# KiCad board SimulTypeUltra.kicad_pcb (continued)
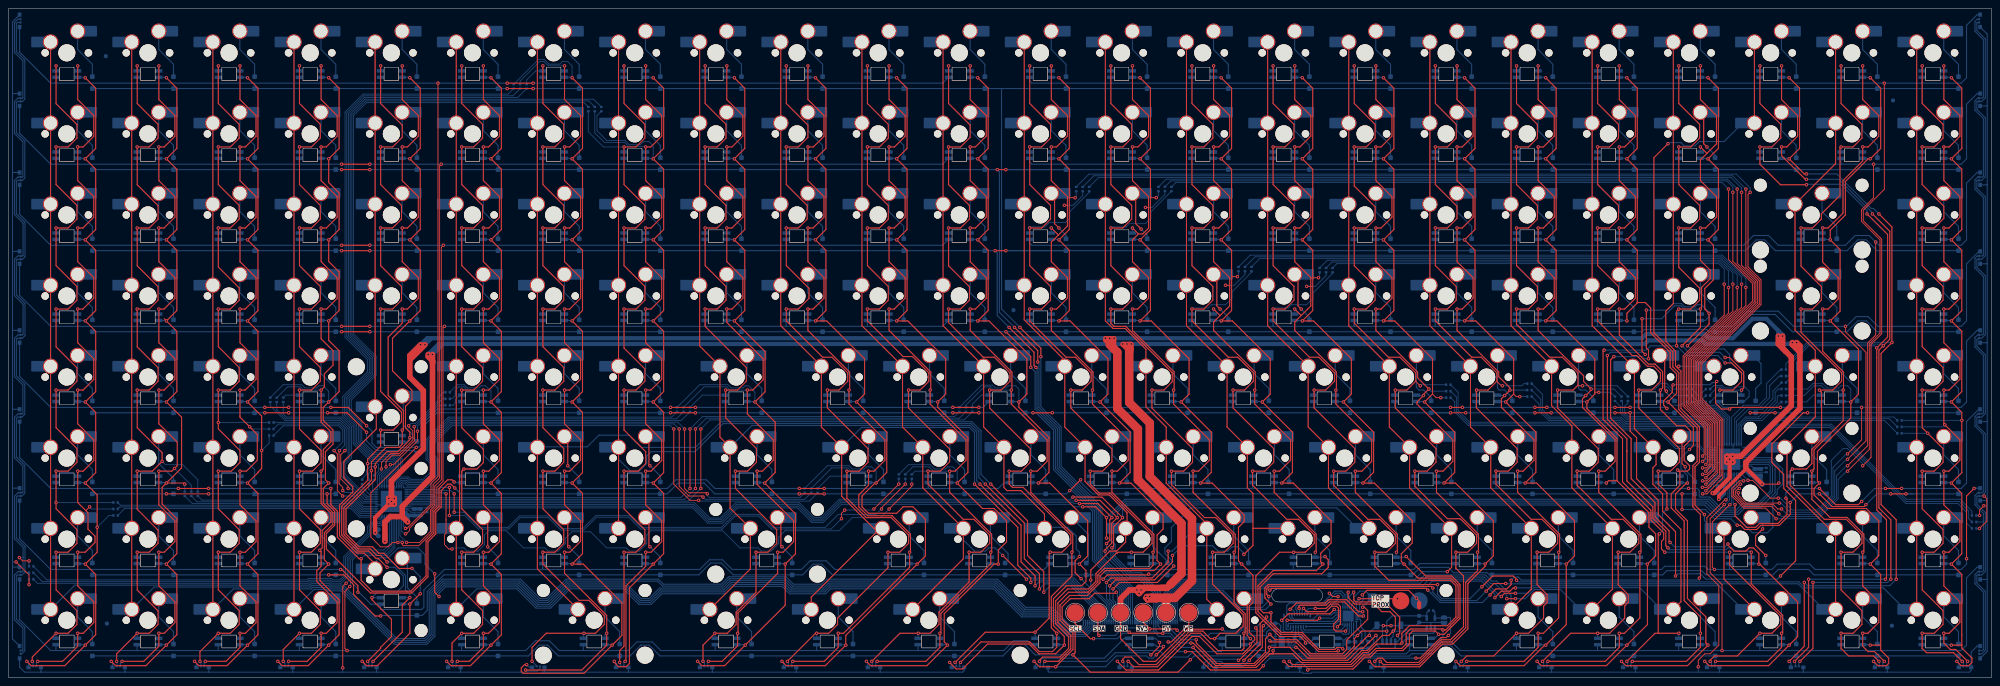
[diagram p0: board, top side]
## Routing (per net, layer and track width the routed paths; a pad name or vN(x,y) marks a point on that pad's centre or on a via; arc(x,y) is an arc through that point) (continued)
/B26c: length 176.1
  Top w0.2: v1(463.86,42.65) 464.49,42.02 464.49,36.75 v1(462.78,35.03)
  Bottom w0.2: R78.1 v1(462.78,35.03) ; 463.55,42.9 463.61,42.9 v1(463.86,42.65)
  Bottom w0.25: LED222.3 462.23,153.94 462.15,153.87 462.15,152.05 464.13,150.07 464.13,136.23 463.3,135.39 LED221.3 462.23,135.39 462.15,135.32 462.15,133.5 464.13,131.52 464.13,117.68 463.3,116.84 LED220.3 462.23,116.84 462.15,116.77 462.15,114.95 464.13,112.97 464.13,99.13 463.3,98.29 LED219.3 462.23,98.29 462.15,98.22 462.15,96.4 464.13,94.42 464.13,80.58 463.3,79.74 LED218.3 462.53,79.74 462.15,79.37 462.15,77.85 464.13,75.87 464.13,62.03 463.3,61.2 LED217.3 462.23,61.2 462.15,61.12 462.15,59.28 464.13,57.3 464.13,43.48 463.3,42.65 LED216.3 462.23,42.65 462.15,42.57 462.15,40.76 464.13,38.78 464.13,24.93 463.3,24.1 LED215.3 462.23,24.1 462.15,24.02 462.15,22.21 464.13,20.23 464.13,6.38 463.3,5.55 LED214.3
/G1c: length 168
  Bottom w0.2: 3.86,24.82 4.07,24.62 R27.1
  Bottom w0.25: LED189.2 3.08,5.55 3.82,6.29 3.82,11.77 1.84,13.75 1.84,23.86 2.08,24.1 LED188.2 3.15,24.1 3.86,24.82 3.86,30.77 1.84,32.8 1.84,42.41 2.08,42.65 LED187.2 3.15,42.65 3.82,43.32 3.82,49.87 1.84,51.85 1.84,60.96 2.08,61.2 LED186.2 3.15,61.2 3.82,61.87 3.82,68.92 1.84,70.9 1.84,79.51 2.08,79.75 LED185.2 3.29,79.75 3.86,80.32 3.86,87.92 1.84,89.95 1.84,98.1 2.04,98.3 LED184.2 3.29,98.3 3.86,98.87 3.86,106.97 1.84,109 1.84,116.6 2.08,116.84 LED183.2 3.29,116.84 3.82,117.37 3.82,126.07 1.84,128.05 1.84,135.15 2.08,135.39 LED182.2 3.29,135.39 3.82,135.92 3.82,145.12 1.83,147.1 1.83,153.7 2.07,153.94 LED181.2
/G2c: length 192.8
  Top w0.2: 18.28,39.1 18.28,39.35 v1(19.04,40.11)
  Top w0.25: v1(6.85,3.79) 12.69,3.79 16.24,7.35 v1(16.24,10.39) 17.51,10.39 20.01,12.9 20.01,17.76 16.24,21.53 v1(16.24,29.44) 18.02,29.44 20.31,31.73 20.31,33.22 18.66,34.87 18.66,38.72 16.24,41.13 v1(16.24,48.49) 17.51,48.49 20.01,51 20.01,55.86 16.24,59.63 v1(16.24,67.54) 17.51,67.54 20.01,70.05 20.01,74.91 16.24,78.68 v1(16.24,86.59) 17.47,86.59 20.01,89.14 20.01,93.96 16.24,97.73 v1(16.24,105.64) 17.47,105.64 20.01,108.19 20.01,113.01 16.24,116.78 v1(16.24,124.69) 17.51,124.69 20.01,127.2 20.01,132.06 16.24,135.83 v1(16.24,143.75)
  Bottom w0.2: v1(19.04,40.11) 19.55,39.6 R28.1
  Bottom w0.25: LED190.2 6.55,3.49 v1(6.85,3.79) ; 16.23,47.31 16.23,48.49 v1(16.24,48.49) ; 16.23,104.46 16.23,105.64 v1(16.24,105.64) ; v1(16.24,10.39) 16.23,10.39 16.23,9.21 ; 16.23,28.26 16.23,29.44 v1(16.24,29.44) ; v1(16.24,124.69) 16.23,124.69 16.23,123.51 ; 16.23,142.56 16.23,143.74 v1(16.24,143.75) ; 16.23,66.36 16.23,67.54 v1(16.24,67.54) ; 16.23,85.41 16.23,86.59 v1(16.24,86.59)
/G3c: length 192.9
  Top w0.25: v1(35.29,143.75) 35.29,135.83 39.06,132.06 39.06,127.2 36.56,124.69 v1(35.29,124.69) 35.29,116.78 39.06,113.01 39.06,108.19 36.52,105.64 v1(35.29,105.64) 35.29,97.73 39.06,93.96 39.06,89.14 36.52,86.59 v1(35.29,86.59) 35.29,78.68 39.06,74.91 39.06,70.09 36.52,67.54 v1(35.29,67.54) 35.29,59.63 39.61,55.31 39.61,49.76 v1(38.98,49.13) 38.34,48.49 v1(35.29,48.49) 35.29,40.58 39.06,36.81 39.06,31.95 36.56,29.44 v1(35.29,29.44) 35.29,21.53 39.06,17.76 39.06,12.9 36.56,10.39 v1(35.29,10.39) 35.29,7.35 31.74,3.79 v1(26.66,3.79)
  Bottom w0.2: v1(38.98,49.13) 42.91,45.19 R29.1
  Bottom w0.25: LED119.2 35.28,48.49 v1(35.29,48.49) ; LED162.2 35.28,10.39 v1(35.29,10.39) ; LED73.2 35.28,86.59 v1(35.29,86.59) ; LED26.2 35.28,124.69 v1(35.29,124.69) ; v1(35.29,143.75) 35.28,143.74 LED2.2 ; v1(35.29,67.54) 35.28,67.54 LED96.2 ; v1(26.66,3.79) 26.25,3.39 LED191.2 ; LED140.2 35.28,29.44 v1(35.29,29.44) ; LED50.2 35.28,105.64 v1(35.29,105.64)
/G4c: length 189.1
  Top w0.25: v1(46.22,3.79) 51.04,3.79 54.34,7.09 v1(54.34,10.39) 55.61,10.39 58.11,12.9 58.11,17.76 54.34,21.53 v1(54.34,29.44) 55.61,29.44 58.11,31.95 58.11,36.81 54.34,40.58 v1(54.34,48.49) 55.87,48.49 58.41,51.03 58.41,57.13 v1(56.63,58.91) 54.34,61.19 v1(54.34,67.54) 55.57,67.54 58.11,70.09 58.11,74.91 54.34,78.68 v1(54.34,86.59) 55.57,86.59 58.11,89.14 58.11,93.96 54.34,97.73 v1(54.34,105.64) 55.61,105.64 58.11,108.15 58.11,113.01 54.34,116.78 v1(54.34,124.69) 55.61,124.69 58.11,127.2 58.11,132.06 54.34,135.83 v1(54.34,143.75)
  Bottom w0.2: v1(56.63,58.91) 57.14,58.4 R30.1
  Bottom w0.25: v1(54.34,86.59) 54.33,86.59 LED74.2 ; v1(54.34,48.49) 54.33,48.49 LED120.2 ; LED51.2 54.33,105.64 v1(54.34,105.64) ; v1(54.34,143.75) 54.33,143.74 LED3.2 ; LED141.2 54.33,29.44 v1(54.34,29.44) ; v1(46.22,3.79) 45.96,3.53 LED192.2 ; v1(54.34,67.54) 54.33,67.54 LED97.2 ; v1(54.34,124.69) 54.33,124.69 LED27.2 ; v1(54.34,10.39) 54.33,10.39 LED163.2
/G5c: length 191.3
  Top w0.25: v1(65.77,3.79) 70.09,3.79 73.39,7.09 v1(73.39,10.39) 74.62,10.39 77.16,12.94 77.16,17.76 72.38,22.54 72.38,25.13 73.39,26.14 73.39,29.57 v1(73.07,29.9) 73.66,30.49 73.66,34.54 75.68,36.56 75.68,38.59 73.39,40.88 v1(73.39,48.49) 73.9,49 73.9,53.57 75.68,55.35 75.68,57.74 73.39,60.03 v1(73.39,67.54) 74.16,68.31 74.16,71.35 76.19,73.39 76.19,76.79 73.39,79.59 v1(73.39,86.59) 74.66,86.59 77.16,89.1 77.16,93.96 73.39,97.73 v1(73.39,105.64) 74.62,105.64 77.16,108.19 77.16,113.01 73.39,116.78 v1(73.39,124.69) 74.62,124.69 77.16,127.24 77.16,132.06 73.39,135.83 v1(73.39,143.75)
  Bottom w0.2: v1(73.39,67.54) 69.33,67.54 68.57,68.31 65.52,68.31 R31.1
  Bottom w0.25: LED4.2 73.38,143.74 v1(73.39,143.75) ; v1(73.39,86.59) 73.38,86.59 LED75.2 ; v1(73.39,48.49) 73.38,48.49 LED121.2 ; v1(73.39,105.64) 73.38,105.64 LED52.2 ; LED193.2 65.66,3.68 v1(65.77,3.79) ; v1(73.39,124.69) 73.38,124.69 LED28.2 ; v1(73.39,67.54) 73.38,67.54 LED98.2 ; v1(73.39,10.39) 73.38,10.39 LED164.2 ; v1(73.07,29.9) 73.38,29.58 LED142.2
/G6c: length 186.3
  Top w0.25: v1(88.89,27.16) 87.36,28.68 86.47,28.68 84.95,30.21 82.15,30.21 78.73,33.63 78.73,39.86 85.2,46.34 v1(85.2,48.62) 85.2,50.65 88.63,54.08 91.68,54.08 92.44,54.84 v1(92.44,58.15) 92.71,58.41 92.71,62.73 89.14,66.3 89.14,79.99 92.44,83.29 v1(92.44,86.59) 93.67,86.59 96.21,89.14 96.21,93.96 92.44,97.73 v1(92.44,105.64) 93.67,105.64 96.21,108.19 96.21,113.01 92.44,116.78 v1(92.44,124.69) 93.67,124.69 96.21,127.24 96.21,132.06 92.44,135.83 v1(92.44,143.75) ; v1(85.59,3.79) 92.44,10.65 92.44,17 v1(94.22,18.78)
  Bottom w0.2: v1(85.2,48.62) 84.57,47.99 R32.1
  Bottom w0.25: v1(92.44,105.64) 92.43,105.64 92.43,104.46 ; 92.43,123.51 92.43,124.69 v1(92.44,124.69) ; v1(92.44,58.15) 92.43,58.14 92.43,56.84 ; 92.43,142.56 92.43,143.74 v1(92.44,143.75) ; v1(92.44,86.59) 92.43,86.59 92.43,85.41 ; 92.43,18.74 92.47,18.78 v1(94.22,18.78) 94.22,19.54 93.21,20.55 93.21,23.99 90.03,27.16 v1(88.89,27.16) ; LED194.2 85.37,3.57 v1(85.59,3.79)
/G7c: length 192
  Top w0.25: v1(105.4,3.79) 108.19,3.79 111.49,7.09 v1(111.49,10.39) 112.72,10.39 115.26,12.94 115.26,17.76 111.49,21.53 v1(111.49,29.44) 112.76,29.44 115.26,31.95 115.26,36.81 111.49,40.58 v1(111.49,48.49) 112.76,48.49 115.26,51 115.26,55.86 111.49,59.63 v1(111.49,67.54) 112.76,67.54 115.26,70.05 115.26,74.91 111.49,78.68 v1(111.49,86.59) 112.76,86.59 115.26,89.1 115.26,93.96 111.49,97.73 v1(111.49,105.64) 112.76,105.64 115.26,108.15 115.26,113.01 111.49,116.78 v1(111.49,124.69) 112.72,124.69 115.26,127.24 115.26,132.06 111.49,135.83 v1(111.49,143.75)
  Bottom w0.2: R33.1 104.13,65.51 104.89,66.27 104.89,67.54 105.65,68.31 106.92,68.31 107.68,67.54 v1(111.49,67.54)
  Bottom w0.25: 111.48,85.41 111.48,86.59 v1(111.49,86.59) ; 111.48,9.21 111.48,10.39 v1(111.49,10.39) ; 111.48,28.26 111.48,29.44 v1(111.49,29.44) ; LED195.2 105.07,3.46 v1(105.4,3.79) ; v1(111.49,67.54) 111.48,67.54 111.48,66.36 ; v1(111.49,48.49) 111.48,48.49 111.48,47.31 ; v1(111.49,124.69) 111.48,124.69 111.48,123.51 ; v1(111.49,143.75) 111.48,143.74 111.48,142.56 ; v1(111.49,105.64) 111.48,105.64 111.48,104.46
/G8c: length 212.1
  Top w0.25: v1(121.4,1.76) 134.61,1.76 140.45,7.6 v1(140.45,10.39) 140.45,14.59 130.54,24.49 v1(130.54,29.44) 131.77,29.44 134.31,31.99 134.31,36.81 130.54,40.58 v1(130.54,48.49) 131.77,48.49 134.31,51.04 134.31,55.86 130.54,59.63 v1(130.54,67.54) 131.77,67.54 134.31,70.09 134.31,74.91 130.54,78.68 v1(130.54,86.59) 131.77,86.59 134.31,89.14 134.31,93.96 130.54,97.73 v1(130.54,105.64) 131.77,105.64 134.31,108.19 134.31,113.01 130.54,116.78 v1(130.54,124.69) 131.77,124.69 134.31,127.24 134.31,132.06 130.54,135.83 v1(130.54,143.75)
  Bottom w0.2: v1(130.54,143.75) 126.73,143.75 125.72,144.76 124.7,144.76 120.13,140.19 R34.1
  Bottom w0.25: v1(121.4,1.76) 121.65,1.5 124.19,1.5 124.77,2.09 LED196.2 ; LED101.2 130.53,67.54 v1(130.54,67.54) ; v1(130.54,29.44) 130.53,29.44 LED145.2 ; LED31.2 130.53,124.69 v1(130.54,124.69) ; LED78.2 130.53,86.59 v1(130.54,86.59) ; v1(130.54,143.75) 130.53,143.74 LED7.2 ; v1(130.54,105.64) 130.53,105.64 LED55.2 ; v1(130.54,48.49) 130.53,48.49 LED123.2 ; LED166.2 140.06,10 v1(140.45,10.39)
/G9c: length 193.1
  Top w0.25: v1(144.77,3.79) 144.96,3.99 144.96,21.51 149.59,26.14 v1(149.59,29.44) 150.86,29.44 153.36,31.95 153.36,36.81 149.59,40.58 v1(149.59,48.49) 150.86,48.49 153.36,51 153.36,55.86 149.59,59.63 v1(149.59,67.54) 150.82,67.54 153.36,70.09 153.36,74.91 149.59,78.68 v1(149.59,86.59) 150.86,86.59 153.36,89.1 153.36,93.96 149.59,97.73 v1(149.59,105.64) 150.82,105.64 153.36,108.19 153.36,113.01 149.59,116.78 v1(149.59,124.69) 150.82,124.69 153.36,127.24 153.36,132.06 149.59,135.83 v1(149.59,143.75)
  Bottom w0.2: v1(149.59,124.69) 149.49,124.8 145.62,124.8 144.71,125.71 139.94,125.71 137.66,128 R35.1
  Bottom w0.25: v1(149.59,67.54) 149.58,67.54 LED102.2 ; v1(149.59,48.49) 149.58,48.49 LED124.2 ; LED146.2 149.58,29.44 v1(149.59,29.44) ; v1(144.77,3.79) 144.48,3.5 LED197.2 ; v1(149.59,124.69) 149.58,124.69 LED32.2 ; LED79.2 149.58,86.59 v1(149.59,86.59) ; v1(149.59,143.75) 149.58,143.74 LED8.2 ; LED56.2 149.58,105.64 v1(149.59,105.64)
/G10c: length 204.7
  Top w0.25: v1(168.64,143.75) 168.64,135.83 172.41,132.06 172.41,127.24 169.87,124.69 v1(168.64,124.69) 168.64,116.78 172.41,113.01 172.41,108.19 169.87,105.64 v1(168.64,105.64) 168.64,97.73 172.41,93.96 172.41,89.14 169.87,86.59 v1(168.64,86.59) 168.64,83.44 177.18,74.91 177.18,69.98 174.74,67.54 v1(173.47,67.54) 173.47,61.95 179.56,55.86 179.56,51.04 177.01,48.49 v1(175.76,48.49) 175.76,45.37 184.32,36.81 184.32,31.91 181.85,29.44 v1(180.58,29.44) 180.58,24.48 171.29,15.19 171.29,10.5 v1(171.18,10.39) 171.18,7.45 167.53,3.79 v1(164.33,3.79)
  Bottom w0.2: R36.1 163.31,68.31 168.64,68.31 169.41,67.54 v1(173.47,67.54)
  Bottom w0.25: LED125.2 175.78,48.47 v1(175.76,48.49) ; v1(173.47,67.54) 173.4,67.47 LED103.2 ; v1(168.64,105.64) 168.63,105.64 LED57.2 ; v1(164.33,3.79) 164.18,3.65 LED198.2 ; LED147.2 180.54,29.4 v1(180.58,29.44) ; v1(168.64,143.75) 168.63,143.74 LED9.2 ; LED167.2 171.02,10.23 v1(171.18,10.39) ; LED33.2 168.63,124.69 v1(168.64,124.69) ; v1(168.64,86.59) 168.63,86.59 LED80.2
/G11c: length 213.9
  Top w0.25: v1(187.69,143.75) 187.69,135.83 191.46,132.06 191.46,127.2 188.96,124.69 v1(187.69,124.69) 187.69,116.78 191.46,113.01 191.46,108.19 188.92,105.64 v1(187.69,105.64) 187.69,97.73 191.46,93.96 191.46,89.14 188.92,86.59 v1(187.69,86.59) 187.69,81.57 197.48,71.78 197.48,67.68 v1(197.35,67.54) 197.35,64.26 205.75,55.86 205.75,51.04 203.2,48.49 v1(201.92,48.49) 201.92,45.19 199.63,42.91 199.63,40.11 201.72,38.02 207.43,38.02 211.77,33.68 211.77,29.65 v1(211.57,29.44) 211.57,25.91 196.06,10.39 v1(194.81,10.39) 194.81,7.09 191.5,3.79 v1(184.14,3.79)
  Bottom w0.2: R37.1 193.28,49.26 197.09,49.26 197.85,48.49 v1(201.92,48.49)
  Bottom w0.25: v1(187.69,124.69) 187.68,124.69 LED34.2 ; LED199.2 183.89,3.54 v1(184.14,3.79) ; LED104.2 197.21,67.41 v1(197.35,67.54) ; v1(201.92,48.49) 201.97,48.44 LED126.2 ; v1(211.57,29.44) 211.5,29.37 LED148.2 ; v1(187.69,105.64) 187.68,105.64 LED58.2 ; LED10.2 187.68,143.74 v1(187.69,143.75) ; LED168.2 194.83,10.37 v1(194.81,10.39) ; LED81.2 187.68,86.59 v1(187.69,86.59)
/G12c: length 205.9
  Top w0.25: v1(206.74,143.75) 206.74,135.83 210.51,132.06 210.51,127.2 208.01,124.69 v1(206.74,124.69) 206.74,116.78 210.51,113.01 210.51,108.19 207.97,105.64 v1(206.74,105.64) 206.74,97.73 210.51,93.96 210.51,89.14 207.97,86.59 v1(206.74,86.59) 206.74,81.57 216.53,71.78 216.53,67.68 v1(216.4,67.54) 216.4,64.26 224.8,55.86 224.8,51.04 222.25,48.49 v1(220.97,48.49) 220.97,43.54 230.82,33.68 230.82,29.65 v1(230.62,29.44) 230.62,26.76 218.92,15.05 218.92,10.63 v1(218.68,10.39) 218.68,7.09 215.38,3.79 v1(203.95,3.79)
  Bottom w0.2: v1(220.97,48.49) 217.16,48.49 216.14,49.51 212.33,49.51 R38.1
  Bottom w0.25: v1(203.95,3.79) 203.59,3.43 LED200.2 ; v1(206.74,143.75) 206.73,143.74 LED11.2 ; v1(220.97,48.49) 221.02,48.44 LED127.2 ; v1(206.74,105.64) 206.73,105.64 LED59.2 ; LED169.2 218.64,10.35 v1(218.68,10.39) ; v1(206.74,124.69) 206.73,124.69 LED35.2 ; LED149.2 230.55,29.37 v1(230.62,29.44) ; LED105.2 216.26,67.41 v1(216.4,67.54) ; v1(206.74,86.59) 206.73,86.59 LED82.2
/G13c: length 214.8
  Top w0.25: v1(223.51,3.54) 228.33,8.36 239.76,8.36 242.05,6.08 245.1,6.08 246.11,7.09 v1(246.11,10.39) 244.84,11.66 244.84,19.03 249.67,23.86 v1(249.67,29.44) 249.87,29.65 249.87,33.68 240.02,43.54 v1(240.02,48.49) 241.54,48.49 243.85,50.81 243.85,55.86 235.45,64.26 v1(235.45,67.54) 235.58,67.68 235.58,71.78 225.79,81.57 v1(225.79,86.59) 227.02,86.59 229.56,89.14 229.56,93.96 225.79,97.73 v1(225.79,105.64) 227.02,105.64 229.56,108.19 229.56,113.05 225.79,116.82 v1(225.79,124.69) 227.02,124.69 229.56,127.24 229.56,132.06 225.79,135.83 v1(225.79,143.75)
  Bottom w0.2: R39.1 224.78,63.99 229.1,68.31 230.62,68.31 231.38,67.54 v1(235.45,67.54)
  Bottom w0.25: v1(225.79,124.69) 225.78,124.69 LED36.2 ; LED83.2 225.78,86.59 v1(225.79,86.59) ; v1(240.02,48.49) 240.07,48.44 LED128.2 ; v1(225.79,105.64) 225.78,105.64 LED60.2 ; LED106.2 235.31,67.41 v1(235.45,67.54) ; LED12.2 225.78,143.74 v1(225.79,143.75) ; LED201.2 223.3,3.33 v1(223.51,3.54) ; LED177.2 246.11,9.25 v1(246.11,10.39) ; v1(249.67,29.44) 249.6,29.37 LED150.2
/G14c: length 240
  Top w0.2: v1(247.89,110.98) 248.61,110.98
  Top w0.25: v1(244.84,105.64) 246.49,103.99 ; 246.49,103.99 248.61,106.11 248.61,113.01 244.84,116.78 v1(244.84,124.69) 246.07,124.69 248.61,127.24 248.61,132.06 244.84,135.83 v1(244.84,143.75) ; 246.49,103.99 244.84,102.34 244.84,97.73 248.61,93.96 248.61,89.14 246.07,86.59 v1(244.84,86.59) 244.84,81.57 254.63,71.78 254.63,67.68 v1(254.5,67.54) 254.5,64.26 262.9,55.86 262.9,51.04 260.35,48.49 v1(259.07,48.49) 259.07,43.54 268.92,33.68 268.92,29.65 v1(268.72,29.44) 268.72,26.4 267.96,25.63 257.29,25.63 255.77,24.11 255.77,22.4 253.41,20.05 248.91,20.05 246.37,17.51 246.37,12.94 249.42,9.89 249.42,6.71 246.5,3.79 v1(243.32,3.79) ; v1(268.21,5.31) 270.25,7.35 v1(270.25,8.23)
  Bottom w0.2: v1(247.89,110.98) 249.92,110.98 252.21,113.26 R40.1
  Bottom w0.25: LED151.2 268.65,29.37 v1(268.72,29.44) ; LED61.2 244.83,105.64 v1(244.84,105.64) ; v1(244.84,143.75) 244.83,143.74 LED13.2 ; LED178.2 269.27,9.21 v1(270.25,8.23) ; v1(244.84,86.59) 244.83,86.59 LED84.2 ; v1(244.84,124.69) 244.83,124.69 LED37.2 ; LED202.2 243,3.47 v1(243.32,3.79) 257.8,3.79 259.83,5.82 267.7,5.82 v1(268.21,5.31) ; LED107.2 254.36,67.41 v1(254.5,67.54) ; v1(259.07,48.49) 259.12,48.44 LED129.2
/G15c: length 216.7
  Top w0.2: v1(266.94,110.47) 267.66,110.47
  Top w0.25: v1(263.89,105.64) 265.29,104.25 ; 265.29,104.25 266.31,104.25 267.66,105.61 267.66,113.01 263.89,116.78 v1(263.89,124.69) 265.16,124.69 267.66,127.2 267.66,132.06 263.89,135.83 v1(263.89,143.75) ; 265.29,104.25 263.89,102.85 263.89,97.73 267.66,93.96 267.66,89.14 265.12,86.59 v1(263.89,86.59) 263.89,81.57 273.68,71.78 273.68,67.68 v1(273.55,67.54) 273.55,64.26 281.95,55.86 281.95,51.04 279.4,48.49 v1(278.12,48.49) 278.12,43.54 288.02,33.63 288.02,29.7 v1(287.77,29.44) 287.77,17.51 290.35,14.92 290.35,10.69 v1(290.06,10.39) 290.06,6.84 289.55,6.33 283.96,6.33 279.9,10.39 277.61,10.39 269.74,2.52 264.15,2.52 v1(262.88,3.79)
  Bottom w0.2: v1(266.94,110.47) 268.47,110.47 271.51,113.52 R41.1
  Bottom w0.25: v1(263.89,86.59) 263.88,86.59 LED85.2 ; v1(290.06,10.39) 290.08,10.37 LED170.2 ; v1(262.88,3.79) 262.7,3.62 LED203.2 ; LED108.2 273.41,67.41 v1(273.55,67.54) ; LED130.2 278.17,48.44 v1(278.12,48.49) ; LED62.2 263.88,105.64 v1(263.89,105.64) ; v1(287.77,29.44) 287.7,29.37 LED152.2 ; LED38.2 263.88,124.69 v1(263.89,124.69) ; LED14.2 263.88,143.74 v1(263.89,143.75)
/G16c: length 237.7
  Top w0.2: v1(285.74,92.18) 286.71,92.18
  Top w0.25: v1(294.63,12.17) 294.37,11.91 294.37,7.09 v1(291.33,4.04) ; 284.47,85.07 282.94,83.55 282.94,81.57 292.73,71.78 292.73,67.68 v1(292.6,67.54) 292.6,64.26 301,55.86 301,51.04 298.45,48.49 v1(297.17,48.49) 297.17,43.54 307.02,33.68 307.02,29.65 v1(306.82,29.44) ; 284.47,85.07 v1(282.94,86.59) ; 284.47,85.07 286.71,87.32 286.71,93.96 282.94,97.73 v1(282.94,105.64) 284.17,105.64 286.71,108.19 286.71,113.01 282.94,116.78 v1(282.94,124.69) 284.17,124.69 286.71,127.24 286.71,132.06 282.94,135.83 v1(282.94,143.75) ; v1(309.11,28.43) 309.87,27.67 309.87,25.89 308.34,24.36 296.91,24.36 293.87,21.32 293.87,15.98 294.63,15.22 v1(296.41,15.22) 296.41,13.06 298.88,10.59 303.7,10.59 307.71,6.58 311.39,6.58 311.83,7.02 312.97,7.02 v1(313.26,6.73)
  Bottom w0.2: v1(285.74,92.18) 287.77,92.18 290.31,94.72 R42.1
  Bottom w0.25: v1(292.6,67.54) 292.46,67.41 LED109.2 ; v1(282.94,143.75) 282.93,143.74 LED15.2 ; v1(282.94,124.69) 282.93,124.69 LED39.2 ; LED204.2 282.41,3.07 282.62,3.28 284.21,3.28 284.98,2.52 289.8,2.52 v1(291.33,4.04) ; LED179.2 312.93,9.21 313.34,8.8 313.34,6.8 v1(313.26,6.73) ; v1(282.94,86.59) 282.93,86.59 LED86.2 ; v1(294.63,12.17) 296.41,13.94 v1(296.41,15.22) ; v1(297.17,48.49) 297.22,48.44 LED131.2 ; LED63.2 282.93,105.64 v1(282.94,105.64) ; v1(306.82,29.44) 306.75,29.37 LED153.2 308.94,28.26 v1(309.11,28.43)
/G17c: length 232.4
  Top w0.2: v1(304.79,91.93) 305.76,91.93
  Top w0.25: v1(301.99,143.75) 301.99,135.83 305.76,132.06 305.76,127.24 303.22,124.69 v1(301.99,124.69) 301.99,116.78 305.76,113.01 305.76,108.19 303.22,105.64 v1(301.99,105.64) 301.99,97.73 305.76,93.96 305.76,87.32 303.52,85.07 ; v1(305.04,1.76) 305.3,2.01 315.71,2.01 318.5,4.81 319.77,4.81 321.3,6.33 327.39,6.33 328.92,7.85 328.92,10.14 329.68,10.9 335.01,10.9 v1(335.78,10.14) 337.05,10.14 340.8,13.89 340.8,21.88 338.82,23.86 332.73,23.86 v1(328.16,28.43) ; 303.52,85.07 301.99,83.55 301.99,81.57 311.78,71.78 311.78,67.68 v1(311.65,67.54) 311.65,64.26 320.05,55.86 320.05,50.81 317.74,48.49 v1(316.22,48.49) 316.22,43.54 326.07,33.68 326.07,29.65 v1(325.87,29.44) ; 303.52,85.07 v1(301.99,86.59)
  Bottom w0.2: R43.1 309.36,94.47 306.82,91.93 v1(304.79,91.93)
  Bottom w0.25: v1(335.78,10.14) 334.85,9.21 LED180.2 ; v1(301.99,124.69) 301.98,124.69 LED40.2 ; v1(301.99,86.59) 301.98,86.59 LED87.2 ; v1(325.87,29.44) 325.8,29.37 LED154.2 327.99,28.26 v1(328.16,28.43) ; v1(301.99,143.75) 301.98,143.74 LED16.2 ; LED110.2 311.51,67.41 v1(311.65,67.54) ; LED64.2 301.98,105.64 v1(301.99,105.64) ; LED205.2 302.11,3.07 302.58,3.54 303.61,3.54 305.04,2.11 v1(305.04,1.76) ; v1(316.22,48.49) 316.27,48.44 LED132.2
/G18c: length 199.6
  Top w0.25: v1(322.06,3.79) 322.82,3.03 331.2,3.03 336.54,8.36 338.82,8.36 342.13,11.66 342.13,22.33 344.92,25.13 v1(344.92,29.44) 345.12,29.65 345.12,33.68 335.27,43.54 v1(335.27,48.49) 336.79,48.49 339.1,50.81 339.1,55.86 330.7,64.26 330.7,64.75 v1(332.22,66.27) 332.22,66.53 v1(333.49,67.8) 330.83,70.45 330.83,71.78 321.04,81.57 v1(321.04,86.59) 322.27,86.59 324.81,89.14 324.81,93.96 321.04,97.73 v1(321.04,105.64) 322.27,105.64 324.81,108.19 324.81,113.01 321.04,116.78 v1(321.04,124.69) 322.27,124.69 324.81,127.24 324.81,132.06 321.04,135.83 v1(321.04,143.75)
  Bottom w0.2: v1(333.49,67.8) 334,67.29 R44.1
  Bottom w0.25: LED88.2 321.03,86.59 v1(321.04,86.59) ; LED133.2 335.32,48.44 v1(335.27,48.49) ; v1(321.04,124.69) 321.03,124.69 LED41.2 ; LED65.2 321.03,105.64 v1(321.04,105.64) ; v1(344.92,29.44) 344.85,29.37 LED155.2 ; LED111.2 330.65,66.27 v1(332.22,66.27) ; LED17.2 321.03,143.74 v1(321.04,143.75) ; LED206.2 321.82,3.55 v1(322.06,3.79)
/G19c: length 200.3
  Top w0.25: v1(342.38,3.79) 355.84,3.79 359.14,7.09 v1(359.14,10.39) 360.37,10.39 363.97,14 v1(363.97,29.44) 364.17,29.65 364.17,33.68 354.32,43.54 v1(354.32,48.49) 355.6,48.49 358.15,51.04 358.15,55.86 350.51,63.5 350.51,65.51 v1(351.27,66.27) v1(352.54,67.54) 352.54,68.05 349.88,70.71 349.88,71.78 340.09,81.57 v1(340.09,86.59) 341.32,86.59 343.86,89.14 343.86,93.96 340.09,97.73 v1(340.09,105.64) 341.32,105.64 343.86,108.19 343.86,113.01 340.09,116.78 v1(340.09,124.69) 341.32,124.69 343.86,127.24 343.86,132.06 340.09,135.83 v1(340.09,143.75)
  Bottom w0.25: LED134.2 354.37,48.44 v1(354.32,48.49) ; LED42.2 340.08,124.69 v1(340.09,124.69) ; v1(340.09,86.59) 340.08,86.59 LED89.2 ; v1(342.38,3.79) 341.52,2.93 LED207.2 ; v1(340.09,143.75) 340.08,143.74 LED18.2 ; LED156.2 363.9,29.37 v1(363.97,29.44) ; v1(351.27,66.27) 349.7,66.27 LED112.2 ; v1(340.09,105.64) 340.08,105.64 LED66.2 ; R45.1 353.3,67.54 353.3,67.54 v1(352.54,67.54) ; v1(359.14,10.39) 359.13,10.39 LED171.2
/G20c: length 205.3
  Top w0.2: v1(370.32,66.27) 370.32,66.53
  Top w0.25: 371.59,67.54 371.59,68.05 ; 371.59,67.54 v1(371.59,67.8) 369.81,69.58 369.81,70.91 359.14,81.57 v1(359.14,86.59) 360.37,86.59 362.91,89.14 362.91,93.96 359.14,97.73 v1(359.14,105.64) 360.37,105.64 362.91,108.19 362.91,113.01 359.14,116.78 v1(359.14,124.69) 360.37,124.69 362.91,127.24 362.91,132.06 359.14,135.83 v1(359.14,143.75) ; 371.59,67.54 369.94,65.89 ; v1(370.32,66.27) 369.94,65.89 ; 369.94,65.89 369.56,65.51 369.56,63.5 377.2,55.86 377.2,50.81 374.89,48.49 v1(373.37,48.49) 373.37,43.54 383.27,33.63 383.27,29.7 v1(383.02,29.44) 383.02,14 379.42,10.39 v1(378.19,10.39) 378.19,7.09 374.89,3.79 v1(361.43,3.79)
  Bottom w0.2: v1(371.59,67.8) 376.93,67.8 R46.1
  Bottom w0.25: LED90.2 359.13,86.59 v1(359.14,86.59) ; LED208.2 361.22,3.59 v1(361.43,3.79) ; v1(359.14,105.64) 359.13,105.64 LED67.2 ; LED135.2 373.42,48.44 v1(373.37,48.49) ; LED43.2 359.13,124.69 v1(359.14,124.69) ; v1(370.32,66.27) 368.75,66.27 LED113.2 ; LED157.2 382.95,29.37 v1(383.02,29.44) ; v1(378.19,10.39) 378.18,10.39 378.18,9.21 ; LED19.2 359.13,143.74 v1(359.14,143.75)
/G21c: length 200.6
  Top w0.25: v1(381.24,3.79) 393.94,3.79 397.24,7.09 v1(397.24,10.39) 397.24,14.26 393.43,18.07 393.43,36.81 390.39,39.86 390.39,43.16 392.42,45.19 392.42,48.24 v1(391.91,48.75) 392.16,48.49 394.2,48.49 394.7,49 394.7,49.76 393.43,51.03 393.43,54.34 394.96,55.86 394.96,57.89 393.69,59.16 391.66,59.16 387.85,62.97 v1(387.85,67.54) 388.35,68.05 388.35,71.89 386.59,73.66 386.58,73.64 385.05,73.64 378.19,80.5 v1(378.19,86.59) 379.46,86.59 381.96,89.1 381.96,93.96 378.19,97.73 v1(378.19,105.64) 379.42,105.64 381.96,108.19 381.96,113.01 378.19,116.78 v1(378.19,124.69) 379.46,124.69 381.96,127.2 381.96,132.06 378.19,135.83 v1(378.19,143.75)
  Bottom w0.2: R47.1 391.4,66.27 389.37,68.31 388.61,68.31 v1(387.85,67.54)
  Bottom w0.25: v1(378.19,105.64) 378.18,105.64 378.18,104.46 ; v1(378.19,124.69) 378.18,124.69 378.18,123.51 ; v1(381.24,3.79) 380.93,3.48 LED209.2 ; LED173.2 397.23,10.39 v1(397.24,10.39) ; LED136.2 392.47,48.19 v1(391.91,48.75) ; LED114.2 387.71,67.41 v1(387.85,67.54) ; v1(378.19,86.59) 378.18,86.59 378.18,85.41 ; 378.18,142.56 378.18,143.74 v1(378.19,143.75)
/G22c: length 265.8
  Top w0.25: v1(375.4,75.67) 375.4,60.69 379.97,56.11 379.97,53.07 ; 379.97,53.07 379.97,46.21 386.07,40.11 386.07,37.45 389.12,34.4 389.12,30.97 v1(389.62,30.46) ; 379.97,53.07 379.97,53.32 ; v1(384.29,75.93) 383.53,76.69 v1(383.53,84.31) ; v1(397.24,143.75) 397.24,135.83 401.01,132.06 401.01,125.42 398.77,123.17 ; v1(392.93,77.96) 397.24,82.28 v1(397.24,86.59) 397.51,86.86 397.51,91.69 399.53,93.71 399.53,95.74 397.24,98.02 v1(397.24,105.64) 398.47,105.64 401.01,108.19 401.01,113.01 397.24,116.78 397.24,121.65 398.77,123.17 ; v1(397.24,124.69) 398.77,123.17 ; v1(403.04,75.21) 404.06,75.21 407.4,71.86 407.4,68.05 v1(406.9,67.54) ; v1(400.8,3.79) 412.99,3.79 416.29,7.09 v1(416.29,10.39) 416.56,10.66 416.56,14.63 409.18,22.01 v1(409.18,29.44)
  Bottom w0.2: R48.1 399.53,66.53 401.25,68.24 402.13,68.24 402.83,67.54 v1(406.9,67.54)
  Bottom w0.25: LED210.2 400.63,3.62 v1(400.8,3.79) ; LED92.2 397.23,86.59 v1(397.24,86.59) 393.43,86.59 392.67,87.36 391.15,87.36 388.1,84.31 v1(383.53,84.31) ; LED69.2 397.23,105.64 v1(397.24,105.64) ; v1(406.9,67.54) 406.76,67.41 LED115.2 ; v1(397.24,124.69) 397.23,124.69 LED45.2 ; v1(416.29,10.39) 416.28,10.39 LED174.2 ; LED158.2 409.14,29.4 v1(409.18,29.44) 408.93,29.7 405.37,29.7 404.61,30.46 403.66,30.46 403.24,30.04 390.05,30.04 v1(389.62,30.46) ; v1(392.93,77.96) 394.45,76.43 401.82,76.43 v1(403.04,75.21) ; v1(384.29,75.93) 383.78,76.43 376.16,76.43 v1(375.4,75.67) ; LED21.2 397.23,143.74 v1(397.24,143.75)
/G23c: length 211.8
  Top w0.25: v1(416.29,143.75) 416.29,135.83 420.06,132.06 420.06,127.24 417.52,124.69 v1(416.29,124.69) 416.29,122.65 421.87,117.07 v1(422.14,117.07) ; v1(441.95,23.09) 441.95,37.06 439.15,39.86 439.15,76.94 v1(440.17,77.96) 441.69,79.48 441.69,104.88 v1(437.63,108.95) ; v1(423.66,22.33) 423.66,6.84 v1(420.61,3.79)
  Bottom w0.2: R49.1 417.93,70.85 418.69,71.61 418.69,74.57 422.48,78.36 439.77,78.36 v1(440.17,77.96)
  Bottom w0.25: LED46.2 416.28,124.69 v1(416.29,124.69) ; LED211.2 420.34,3.52 v1(420.61,3.79) ; LED22.2 416.28,143.74 v1(416.29,143.75) ; v1(441.95,23.09) 441.19,22.33 v1(423.66,22.33) ; v1(422.14,117.07) 429.76,117.07 437.63,109.2 v1(437.63,108.95)